# Altium PCB RK_NVR_DEMO1_RK3588_LP4XD200P232SD8_V21_20211228_final_lint.PcbDoc (part 10 of 29)
Units mm, origin at the board's own origin, x right, y up, seen from the top; angles counter-clockwise.
Board outline 170.08 x 169.98 mm, 8 copper layers (TOP, L2-GND1, L3-POWER1, L4-S1, L5-GND2, L6-S2, L7-GND3, BOTTOM), stack 2.118 mm thick; 1650 components, 1119 nets, 6165 pads, 15417 vias.
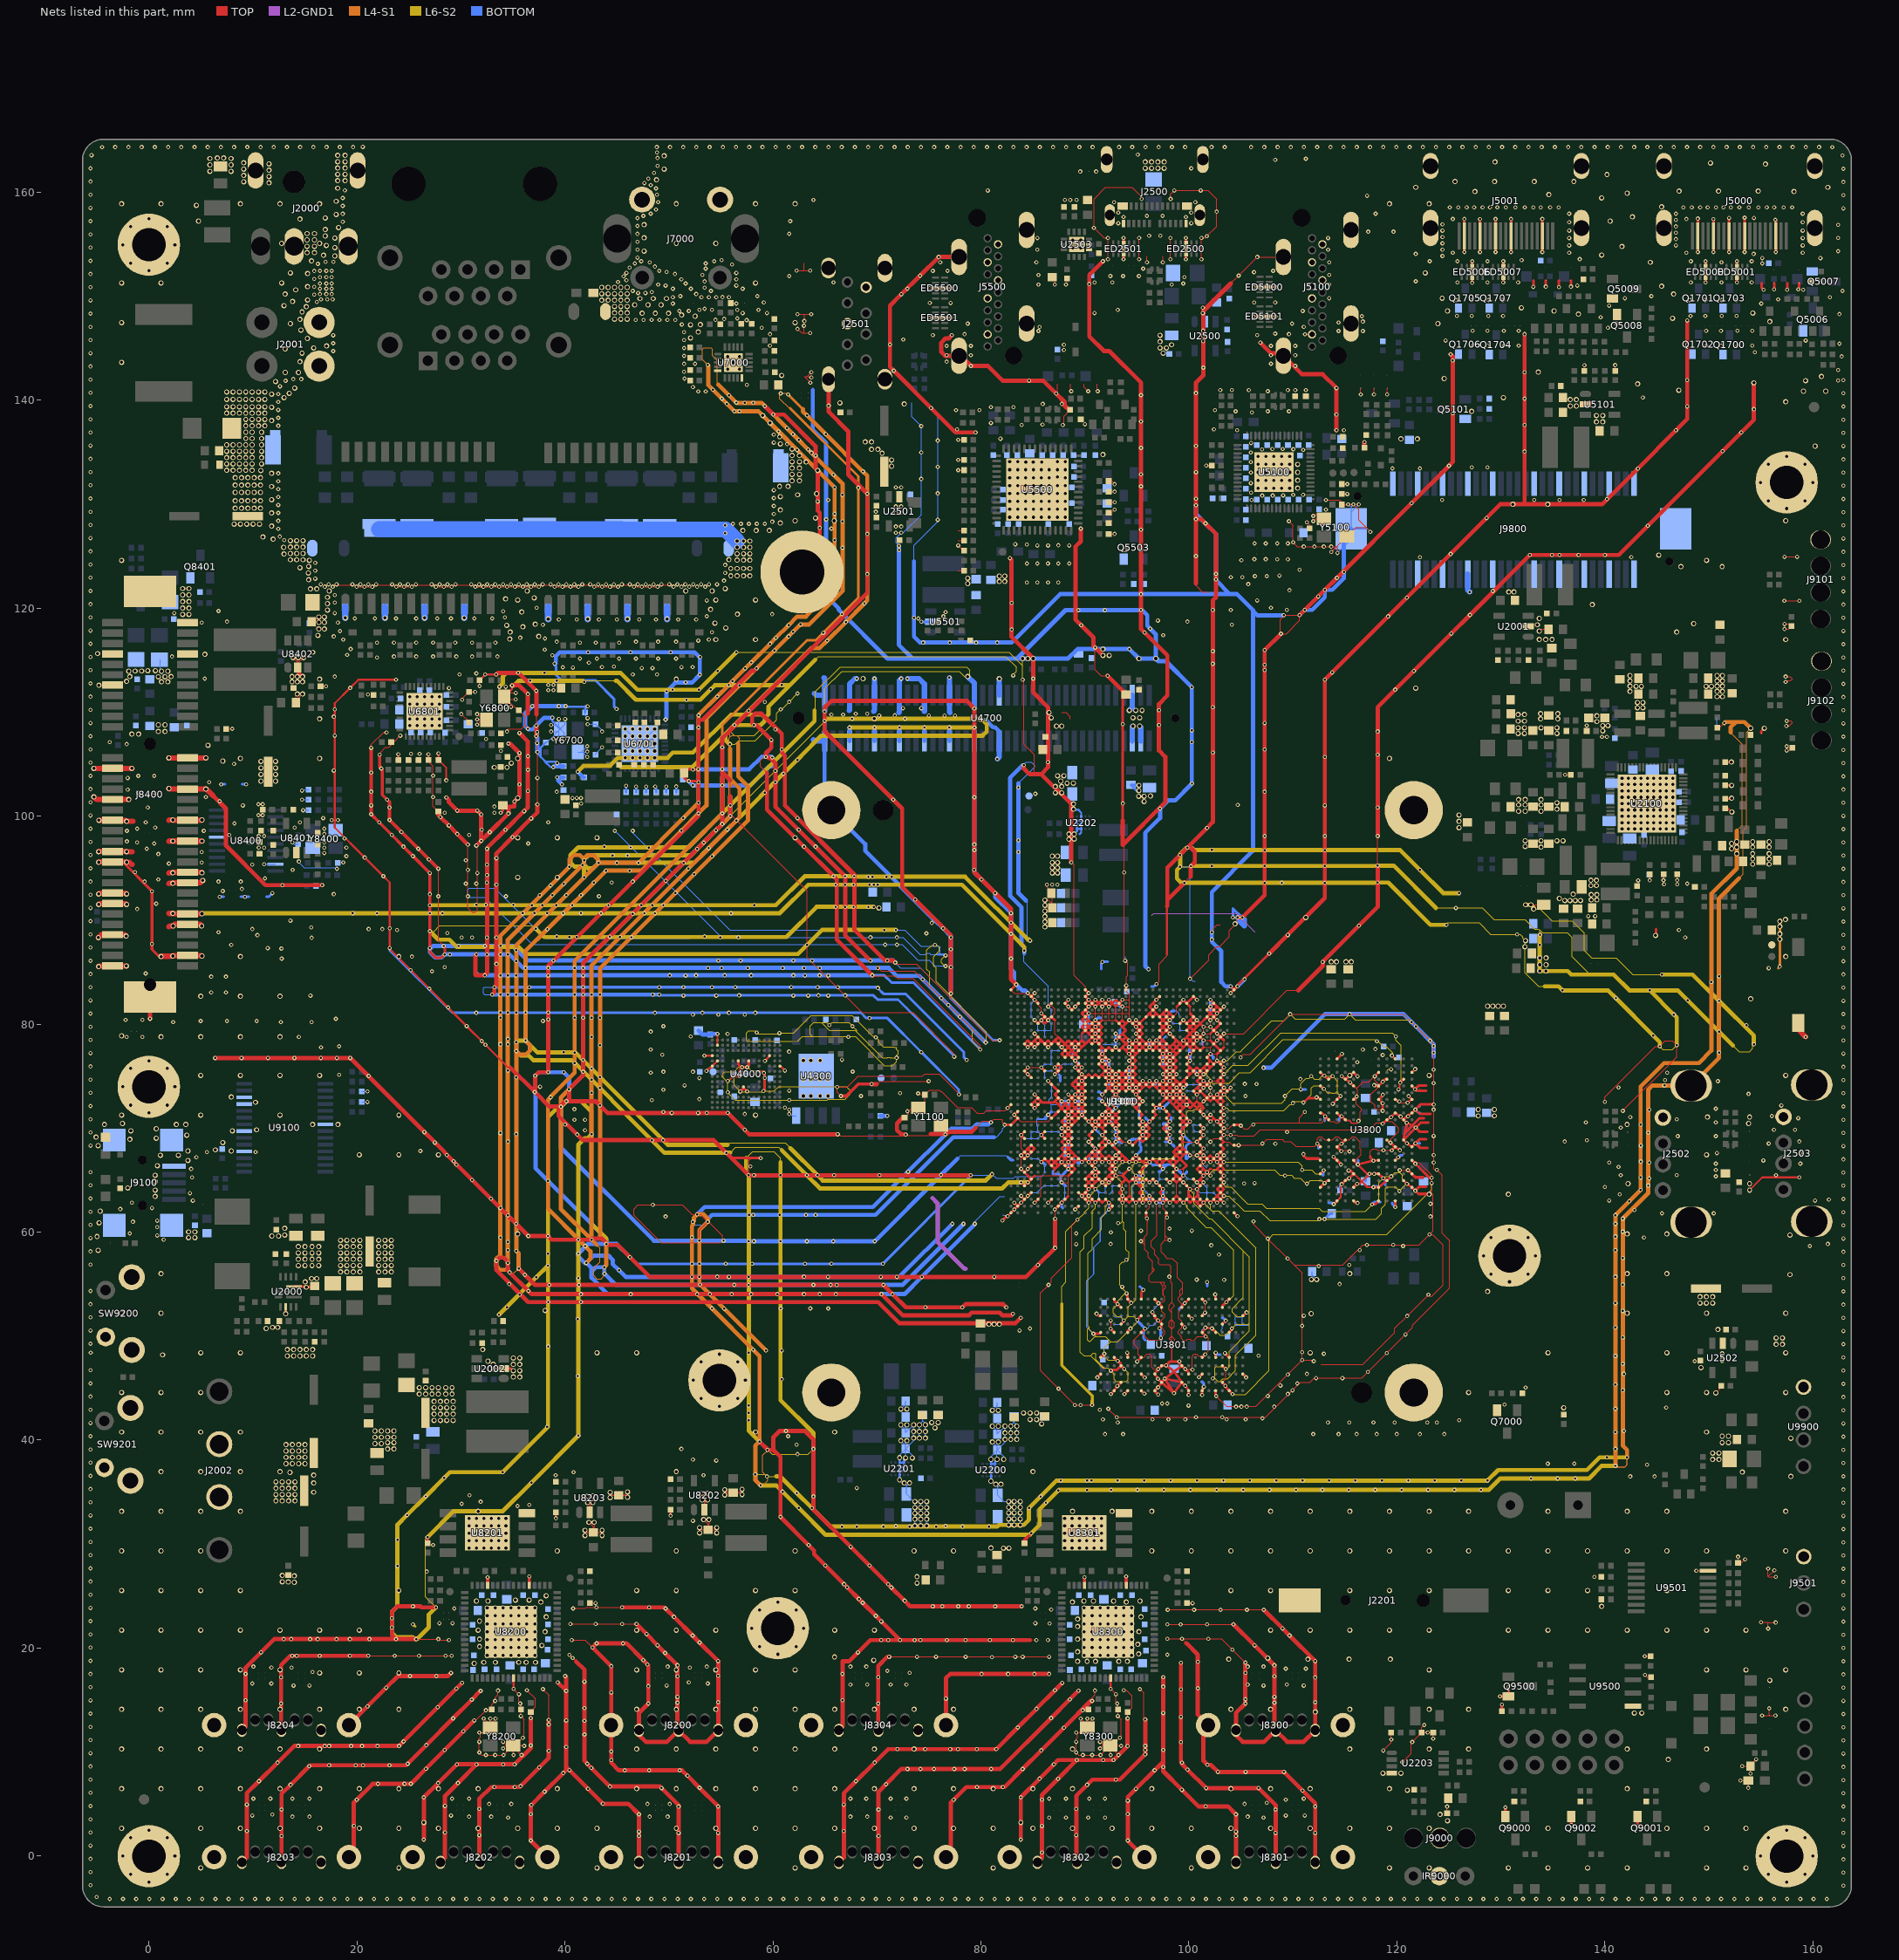
[diagram p16: the nets of this part, all layers, seen from the top]

## Via types
v1: diameter 0.4, hole 0.2, TOP to BOTTOM, 1688 vias
v2: diameter 0.4/0.4 (per signal layer), hole 0.2, TOP to L2-GND1, 1605 vias
v3: diameter 0/0/0/0/0/0/0/0.4 (per signal layer), hole 0.2, TOP to BOTTOM, 1253 vias
v4: diameter 0.4/0/0/0/0/0/0/0 (per signal layer), hole 0.2, TOP to BOTTOM, 1253 vias
v5: diameter 0.5, hole 0.3, TOP to BOTTOM, 857 vias
v6: diameter 0.4/0.4/0.4/0.4/0.4 (per signal layer), hole 0.2, L4-S1 to BOTTOM, 836 vias
v7: diameter 0/0/0/0/0/0/0/0.5 (per signal layer), hole 0.3, TOP to BOTTOM, 772 vias
v8: diameter 0.5/0/0/0/0/0/0/0 (per signal layer), hole 0.3, TOP to BOTTOM, 772 vias
v9: diameter 0.5/0.5 (per signal layer), hole 0.3, TOP to L2-GND1, 766 vias
v10: diameter 0.4/0.4 (per signal layer), hole 0.2, L7-GND3 to BOTTOM, 611 vias
v11: diameter 0.4/0.4/0.4/0.4 (per signal layer), hole 0.2, L5-GND2 to BOTTOM, 579 vias
v12: diameter 0.4 (per signal layer), hole 0.2, L6-S2 to L6-S2, 535 vias
v13: diameter 0.5/0.5/0.5/0.5/0.5 (per signal layer), hole 0.3, L4-S1 to BOTTOM, 457 vias
v14: diameter 0.5/0.5/0.5/0.5 (per signal layer), hole 0.3, L5-GND2 to BOTTOM, 455 vias
v15: diameter 0.4 (per signal layer), hole 0.2, L5-GND2 to L5-GND2, 418 vias
v16: diameter 0.5/0.5/0.5 (per signal layer), hole 0.3, TOP to L3-POWER1, 306 vias
v17: diameter 0.4 (per signal layer), hole 0.2, L4-S1 to L4-S1, 300 vias
v18: diameter 0.4/0.4/0.4 (per signal layer), hole 0.2, TOP to L3-POWER1, 287 vias
v19: diameter 0.5 (per signal layer), hole 0.3, L3-POWER1 to L3-POWER1, 242 vias
v20: diameter 0.5 (per signal layer), hole 0.3, L4-S1 to L4-S1, 240 vias
v21: diameter 0.5/0.5 (per signal layer), hole 0.3, L7-GND3 to BOTTOM, 192 vias
v22: diameter 0.5 (per signal layer), hole 0.3, L6-S2 to L6-S2, 166 vias
v23: diameter 0.4/0.4/0.4/0.4/0.4 (per signal layer), hole 0.2, TOP to L5-GND2, 134 vias
v24: diameter 0.5 (per signal layer), hole 0.3, L5-GND2 to L5-GND2, 114 vias
v25: diameter 0.5/0.5 (per signal layer), hole 0.3, L3-POWER1 to L4-S1, 111 vias
v26: diameter 0.4 (per signal layer), hole 0.2, L3-POWER1 to L3-POWER1, 93 vias
v27: diameter 0.4/0.4 (per signal layer), hole 0.2, L4-S1 to L5-GND2, 59 vias
v28: diameter 0.4/0.4/0/0/0.4/0/0.4/0.4 (per signal layer), hole 0.2, TOP to BOTTOM, 56 vias
v29: diameter 0.4/0/0/0.4/0/0/0/0.4 (per signal layer), hole 0.2, TOP to BOTTOM, 51 vias
v30: diameter 0.5/0.5 (per signal layer), hole 0.3, L4-S1 to L5-GND2, 46 vias
v31: diameter 0.4/0/0/0/0/0.4/0/0.4 (per signal layer), hole 0.2, TOP to BOTTOM, 42 vias
v32: diameter 0.5/0.5/0.5/0.5/0.5 (per signal layer), hole 0.3, TOP to L5-GND2, 32 vias
v33: diameter 0.4/0.4 (per signal layer), hole 0.2, L3-POWER1 to L4-S1, 29 vias
v34: diameter 0.4/0/0.4/0/0/0/0/0.4 (per signal layer), hole 0.2, TOP to BOTTOM, 29 vias
v35: diameter 0.4/0.4/0/0/0.4/0.4/0.4/0.4 (per signal layer), hole 0.2, TOP to BOTTOM, 21 vias
v36: diameter 0.5/0.5/0.5/0/0.5/0.5/0.5/0.5 (per signal layer), hole 0.3, TOP to BOTTOM, 4 vias
v37: diameter 0.5/0.5/0/0.5/0.5/0.5/0.5/0.5 (per signal layer), hole 0.3, TOP to BOTTOM, 3 vias
v38: diameter 0.4/0/0.4/0.4/0/0/0/0.4 (per signal layer), hole 0.2, TOP to BOTTOM, 2 vias
v39: diameter 0.4/0.4/0.4/0/0.4/0/0.4/0.4 (per signal layer), hole 0.2, TOP to BOTTOM, 1 vias

## Nets (pads, with @x,y where several pads share a name; then routed paths per layer and width w, separated by ;. In a path a pad name is that pad's centre, name@x,y a point inside that pad or via, vN(x,y) a via of type N, cw(c..) or ccw(c..) an arc to the next point about the centre after c; other vN are vias at no path point) (continued)
GND: C1000.2 C1001.2 C1002.2 C1003.2 C1004.2 C1005.2 C1006.2 C1007.2 C1010.2 C1013.2 C1014.2 C1015.2 C1016.2 C1017.2 C1018.2 C1019.2 C1020.2 C1022.2 C1023.2 C1024.2 C1025.2 C1027.2 C1028.2 C1029.2 C1030.2 C1031.2 C1032.2 C1033.2 C1034.2 C1035.2 C1036.2 C1037.2 C1038.2 C1039.2 C1040.2 C1041.2 C1042.2 C1043.2 C1045.2 C1046.2 C1047.2 C1048.2 C1049.2 C1050.2 C1051.2 C1052.2 C1054.2 C1057.2 C1058.2 C1059.2 C1060.2 C1061.2 C1062.2 C1063.2 C1064.2 C1065.2 C1066.2 C1069.2 C1070.2 C1071.2 C1072.2 C1073.2 C1080.2 C1081.2 C1082.2 C1083.2 C1085.2 C1086.2 C1100.2 C1101.2 C1102.2 C1103.2 C1104.2 C1105.2 C1106.2 C1107.2 C1109.2 C1110.2 C1111.2 C1112.2 C1113.2 C1200.2 C1201.2 C1202.2 C1203.2 C1204.2 C1205.2 C1206.2 C1207.2 C1208.2 C1209.2 C1210.2 C1211.2 C1212.2 C1213.2 C1214.2 C1215.2 C1216.2 C1217.2 C1218.2 C1219.2 C1220.2 C1221.2 C1223.2 C1224.2 C1225.2 C1226.2 C1227.2 C1228.2 C1229.2 C1231.2 C1232.2 C1300.2 C1301.2 C1302.2 C1404.2 C1405.2 C1406.2 C1407.2 C1412.2 C1417.2 C1418.2 C1419.2 C1420.2 C1421.2 C1422.2 C1423.2 C1500.2 C1501.2 C1502.2 C1503.2 C1504.2 C1505.2 C1506.2 C1600.2 C1601.2 C1602.2 C1603.2 C1604.2 C1606.2 C1607.2 C1608.2 C1609.2 C1610.2 C1611.2 C1709.2 C1710.2 C1711.2 C1713.2 C1714.2 C1715.2 C1724.2 C1725.2 C1726.2 C1727.2 C1729.2 C1730.2 C1731.2 C1801.2 C1803.2 C1804.2 C1805.2 C1806.2 C1807.2 C1808.2 C1810.2 C1812.2 C1813.2 C1814.2 C1815.2 C1816.2 C1819.2 C1901.2 C1902.2 C1903.2 C1905.2 C2000.2 C2001.2 C2002.2 C2003.2 C2004.2 C2005.2 C2006.2 C2007.2 C2009.2 C2010.2 C2011.2 C2012.2 C2013.2 C2014.2 C2015.2 C2017.2 C2019.2 C2020.2 C2022.2 C2023.2 C2024.2 C2025.2 C2027.2 C2028.2 C2030.2 C2032.2 C2033.2 C2034.2 C2035.2 C2100.2 C2102.2 C2103.2 C2104.2 C2105.2 C2106.2 C2107.2 C2109.2 C2110.2 C2111.2 C2114.2 C2115.2 C2116.2 C2117.2 C2120.2 C2121.2 C2122.2 C2123.2 C2126.2 C2127.2 C2128.2 C2129.2 C2130.2 C2133.2 C2134.2 C2135.2 C2136.2 C2138.2 C2139.2 C2140.2 C2141.2 C2142.2 C2144.2 C2145.2 C2146.2 C2147.2 C2148.2 C2149.2 C2150.2 C2151.2 C2152.2 C2153.2 C2154.2 C2155.2 C2156.2 C2157.2 C2158.2 C2159.2 C2160.2 C2161.2 C2162.2 C2163.2 C2164.2 C2165.2 C2166.2 C2167.2 C2168.2 C2169.2 C2170.2 C2171.2 C2172.2 C2173.2 C2200.2 C2201.2 C2202.2 C2203.2 C2205.2 C2206.2 C2207.2 C2208.2 C2209.2 C2211.2 C2212.2 C2213.2 C2214.2 C2215.2 C2218.2 C2219.2 C2221.2 C2222.2 C2223.2 C2224.2 C2225.2 C2227.2 C2228.2 C2229.2 C2230.2 C2503.2 C2504.2 C2505.2 C2506.2 C2507.2 C2508.2 C2511.2 C2512.2 C2513.2 C2515.2 C2516.2 C2517.2 C2518.2 C2519.2 C2520.2 C2521.2 C2526.2 C2528.2 C3800.2 C3801.2 C3802.2 C3803.2 C3804.2 C3805.2 C3806.2 C3807.2 C3808.2 C3809.2 C3810.2 C3811.2 C3812.2 C3813.2 C3814.2 C3815.2 C3816.2 C3817.2 C3818.2 C3819.2 C3820.2 C3821.2 C3822.2 C3823.2 C3824.2 C3825.2 C3826.2 C3827.2 C3828.2 C3829.2 C3830.2 C3831.2 C3832.2 C3833.2 C3834.2 C3835.2 C3836.2 C3837.2 C3838.2 C3839.2 C3840.2 C3841.2 C3842.2 C3843.2 C3844.2 C3845.2 C3846.2 C3847.2 C3848.2 C3849.2 C3850.2 C3851.2 C3852.2 C3853.2 C3854.2 C3855.2 C3856.2 C3857.2 C3858.2 C3859.2 C3860.2 C3861.2 C3862.2 C3863.2 C3864.2 C3865.2 C3866.2 C3867.2 C3868.2 C3869.2 C3870.2 C3871.2 C3872.2 C3873.2 C3874.2 C3875.2 C3876.2 C3877.2 C3878.2 C3879.2 C3880.2 C3881.2 C3882.2 C3883.2 C3884.2 C3885.2 C3886.2 C3887.2 C3888.2 C4000.2 C4001.2 C4002.2 C4003.2 C4004.2 C4005.2 C4006.2 C4007.2 C4008.2 C4009.2 C4010.2 C4300.2 C4301.2 C4700.2 C4701.2 C4702.2 C4703.2 C4704.2 C4705.2 C4706.2 C4707.2 C5000.2 C5001.2 C5102.2 C5104.2 C5105.2 C5106.2 C5107.2 C5109.2 C5110.2 C5111.2 C5112.2 C5113.2 C5114.2 C5115.2 C5116.2 C5117.2 C5118.2 C5119.2 C5121.2 C5122.2 C5123.2 C5124.2 C5125.2 C5126.2 C5127.2 C5128.2 C5129.2 C5130.2 C5131.2 C5132.2 C5133.2 C5134.2 C5135.2 C5136.2 C5137.2 C5138.2 C5139.2 C5140.2 C5141.2 C5142.2 C5500.2 C5502.2 C5503.2 C5505.2 C5506.2 C5507.2 C5508.2 C5509.2 C5510.2 C5511.2 C5512.2 C5513.2 C5514.2 C5516.2 C5517.2 C5518.2 C5519.2 C5520.2 C5521.2 C5522.2 C5523.2 C5524.2 C5525.2 C5526.2 C5527.2 C5528.2 C5529.2 C5530.2 C5531.2 C5532.2 C5533.2 C6700.2 C6701.2 C6702.2 C6703.2 C6704.2 C6705.2 C6706.2 C6707.2 C6708.2 C6709.2 C6710.2 C6711.2 C6712.2 C6713.2 C6714.2 C6715.2 C6716.2 C6717.2 C6718.2 C6719.2 C6720.2 C6721.2 C6722.2 C6723.2 C6724.2 C6726.2 C6800.2 C6801.2 C6802.2 C6803.2 C6804.2 C6805.2 C6806.2 C6807.2 C6808.2 C6809.2 C6810.2 C6811.2 C6812.2 C6813.2 C6814.2 C6815.2 C6816.2 C6817.2 C6818.2 C6819.2 C6820.2 C6821.2 C6822.2 C6823.2 C6826.2 C7001.2 C7002.2 C7003.2 C7004.2 C7006.2 C7007.2 C7008.2 C7009.2 C7010.2 C7011.2 C7012.2 C8204.2 C8209.2 C8211.2 C8213.2 C8224.2 C8226.2 C8227.2 C8228.2 C8229.2 C8230.2 C8231.2 C8232.2 C8233.2 C8234.2 C8235.2 C8236.2 C8237.2 C8242.2 C8244.2 C8245.2 C8246.2 C8247.2 C8248.2 C8249.2 C8250.2 C8251.2 C8252.2 C8253.2 C8254.2 C8255.2 C8304.2 C8308.2 C8311.2 C8313.2 C8324.2 C8325.2 C8326.2 C8327.2 C8328.2 C8329.2 C8330.2 C8331.2 C8332.2 C8333.2 C8334.2 C8339.2 C8340.2 C8341.2 C8342.2 C8343.2 C8344.2 C8345.2 C8346.2 C8347.2 C8348.2 C8349.2 C8400.2 C8409.2 C8410.2 C8411.2 C8412.2 C8413.2 C8414.2 C8415.2 C8416.2 C8417.2 C8418.2 C8419.2 C8420.2 C8421.2 C8422.2 C8423.2 C8424.2 C8425.2 C8426.2 C8427.2 C8429.2 C8431.2 C8432.2 C8433.2 C8435.2 C8436.2 C8437.2 C9000.2 C9001.2 C9002.2 C9100.2 C9101.2 C9102.2 C9103.2 C9104.2 C9105.2 C9106.2 C9500.2 C9502.2 C9504.1 C9505.2 C9507.1 C9900.2 C9901.2 D1500.2 D2000.1 D2504.2 D2505.2 D2506.2 D2507.2 D2508.2 D2509.2 D2510.2 D2511.2 D2512.2 D2513.2 D2514.2 D2515.2 D2516.2 D2517.2 D2518.2 D2519.2 D6700.2 D6701.2 D6702.2 D6703.2 D6704.2 D6705.2 D6706.2 D6707.2 D6800.2 D6801.2 D6802.2 D6803.2 D6804.2 D6805.2 D6806.2 D6807.2 D7000.2 D7001.2 D9100.2 D9101.2 D9102.2 D9103.2 D9104.2 D9105.2 D9200.2 D9201.2 ED2100.2 ED2500.3 ED2500.8 ED2501.3 ED2501.8 ED5000.3 ED5000.8 ED5001.3 ED5001.8 ED5002.2 ED5003.2 ED5004.2 ED5005.2 ED5006.3 ED5006.8 ED5007.3 ED5007.8 ED5008.2 ED5009.2 ED5010.2 ED5011.2 ED5100.3 ED5100.8 ED5101.3 ED5101.8 ED5102.2 ED5103.2 ED5104.2 ED5500.3 ED5500.8 ED5501.3 ED5501.8 ED5502.2 ED5503.2 ED5504.2 ED5505.2 ED9500.2 ED9501.2 ED9502.2 ED9503.2 FB6700.1 FB9500.2 H9900.1 H9901.1 H9902.1 H9903.1 H9904.1 H9905.1 H9906.1 H9907.1 IR9000.2 J2000.2 J2000.3 J2000.4 J2000.5 J2001.1 J2001.2 J2002.2 J2002.3 J2201.2 J2500.A1 J2500.A12 J2500.B1 J2500.B12 J2500.H1 J2500.H2 J2500.H3 J2500.H4 J2501.4 J2501.7 J2501.10 J2501.11 J2501.12 J2501.13 J2502.4 J2502.5 J2502.6 J2503.4 J2503.5 J2503.6 J5000.2 J5000.5 J5000.8 J5000.11 J5000.17 J5000.20 J5000.21 J5000.22 J5000.23 J5001.2 J5001.5 J5001.8 J5001.11 J5001.17 J5001.20 J5001.21 J5001.22 J5001.23 J5100.2 J5100.5 J5100.8 J5100.11 J5100.17 J5100.20 J5100.21 J5100.22 J5100.23 J5500.2 J5500.5 J5500.8 J5500.11 J5500.17 J5500.20 J5500.21 J5500.22 J5500.23 J7000.1 J7000.4 J8200.1 J8200.4 J8200.7 J8200.8 J8200.9 J8201.1 J8201.4 J8201.7 J8201.8 J8201.9 J8202.1 J8202.4 J8202.7 J8202.8 J8202.9 J8203.1 J8203.4 J8203.7 J8203.8 J8203.9 J8204.1 J8204.4 J8204.7 J8204.8 J8204.9 J8300.1 J8300.4 J8300.7 J8300.8 J8300.9 J8301.1 J8301.4 J8301.7 J8301.8 J8301.9 J8302.1 J8302.4 J8302.7 J8302.8 J8302.9 J8303.1 J8303.4 J8303.7 J8303.8 J8303.9 J8304.1 J8304.4 J8304.7 J8304.8 J8304.9 J8400.1 J8400.2 J8400.A1 J8400.A4 J8400.A12 J8400.A15 J8400.A18 J8400.A20 J8400.A23 J8400.A24 J8400.A27 J8400.A28 J8400.A31 J8400.B4 J8400.B7 J8400.B13 J8400.B16 J8400.B18 J8400.B21 J8400.B22 J8400.B25 J8400.B26 J8400.B29 J8400.B32 J9000.2 J9100.5 J9100.6 J9100.7 J9100.8 J9100.9 J9101.1 J9102.1 J9501.1 J9800.1 J9800.2 J9800.7 J9800.8 J9800.13 J9800.14 J9800.19 J9800.20 J9800.25 J9800.26 J9800.35 J9800.36 J9800.41 J9800.42 J9800.47 J9800.48 J9800.53 J9800.54 J9800.59 J9800.61 J9800.62 J9901.1 J9901.2 J9901.3 J9901.4 LED2000.2 Q1700.2 Q1701.2 Q1702.2 Q1703.2 Q1704.2 Q1705.2 Q1706.2 Q1707.2 Q5006.2 Q5007.2 Q5008.2 Q5009.2 Q5101.2 Q5503.2 Q7000.2 Q8401.2 Q9000.2 Q9001.2 Q9002.2 Q9500.2 R1110.2 R1114.2 R1400.2 R1401.2 R1402.2 R1403.2 R1404.2 R1405.2 R1510.2 R1708.2 R1717.2 R1800.2 R1801.2 R2002.2 R2008.2 R2013.2 R2018.2 R2020.2 R2023.2 R2101.2 R2126.2 R2134.2 R2140.2 R2150.2 R2205.2 R2501.2 R2505.2 R2510.2 R2511.2 R2515.2 R2516.2 R2517.2 R2529.2 R2532.2 R2535.2 R2536.2 R4004.2 R5027.2 R5028.2 R5100.2 R5113.2 R5114.2 R5116.2 R5117.2 R5118.2 R5119.2 R5130.2 R5133.2 R5139.2 R5506.2 R5507.2 R5508.2 R5510.2 R5511.2 R5513.2 R5531.2 R5533.2 R5534.2 R5535.2 R5536.2 R5537.2 R5539.2 R5541.2 R5551.2 R5554.2 R6702.2 R6715.2 R6716.2 R6718.2 R6720.2 R6721.2 R6722.2 R6724.2 R6725.2 R6726.2 R6728.2 R6731.2 R6802.2 R6815.2 R6816.2 R6818.2 R6820.2 R6821.2 R6823.2 R6825.2 R6826.2 R6828.2 R6831.2 R7001.2 R7003.2 R7004.2 R7006.2 R8202.1 R8206.2 R8214.2 R8217.2 R8302.1 R8306.2 R8406.2 R8407.2 R8409.2 R8411.2 R8413.2 R8418.2 R8419.2 R8421.2 R8425.2 R8426.2 R8431.2 R8433.2 R8435.2 R9009.2 R9010.2 R9011.2 R9103.2 R9301.2 R9508.2 R9510.2 SMTSO9900.1 SW1500.2 SW9200.2 SW9200.3 SW9200.4 SW9201.2 SW9201.3 SW9201.4 TP1301.1 TP1303.1 TP1501.1 TP1503.1 U1000.A1 U1000.A11 U1000.A14 U1000.A34 U1000.AA3 U1000.AA6 U1000.AA8 U1000.AA10 U1000.AA11 U1000.AA16 U1000.AA17 U1000.AA18 U1000.AA19 U1000.AA20 U1000.AA21 U1000.AA22 U1000.AA23 U1000.AA24 U1000.AA31 U1000.AB3 U1000.AB5 U1000.AB6 U1000.AB7 U1000.AB8 U1000.AB10 U1000.AB11 U1000.AB16 U1000.AB17 U1000.AB18 U1000.AB19 U1000.AB20 U1000.AB24 U1000.AB27 U1000.AB29 U1000.AB32 U1000.AC3 U1000.AC4 U1000.AC5 U1000.AC8 U1000.AC10 U1000.AC11 U1000.AC12 U1000.AC16 U1000.AC20 U1000.AC21 U1000.AC24 U1000.AC27 U1000.AD5 U1000.AD8 U1000.AD10 U1000.AD11 U1000.AD12 U1000.AD16 U1000.AD20 U1000.AD21 U1000.AD24 U1000.AD25 U1000.AD26 U1000.AE3 U1000.AE6 U1000.AE7 U1000.AE9 U1000.AE11 U1000.AE12 U1000.AE13 U1000.AE14 U1000.AE15 U1000.AE16 U1000.AE18 U1000.AE19 U1000.AE20 U1000.AE21 U1000.AE24 U1000.AE26 U1000.AF4 U1000.AF7 U1000.AF8 U1000.AF11 U1000.AF12 U1000.AF13 U1000.AF14 U1000.AF15 U1000.AF16 U1000.AF21 U1000.AF22 U1000.AF24 U1000.AF25 U1000.AF27 U1000.AF28 U1000.AF29 U1000.AF30 U1000.AF31 U1000.AF32 U1000.AG3 U1000.AG6 U1000.AG7 U1000.AG10 U1000.AG12 U1000.AG15 U1000.AG18 U1000.AG21 U1000.AG22 U1000.AG30 U1000.AH4 U1000.AH8 U1000.AH11 U1000.AH12 U1000.AH15 U1000.AH21 U1000.AH22 U1000.AH23 U1000.AJ3 U1000.AJ7 U1000.AJ8 U1000.AJ9 U1000.AJ11 U1000.AJ12 U1000.AJ15 U1000.AJ16 U1000.AJ18 U1000.AJ21 U1000.AJ22 U1000.AJ23 U1000.AJ30 U1000.AK4 U1000.AK5 U1000.AK7 U1000.AK10 U1000.AK11 U1000.AK12 U1000.AK13 U1000.AK14 U1000.AK23 U1000.AK28 U1000.AK29 U1000.AL3 U1000.AL4 U1000.AL5 U1000.AL11 U1000.AL13 U1000.AL23 U1000.AL25 U1000.AM4 U1000.AM8 U1000.AM9 U1000.AM18 U1000.AM20 U1000.AM22 U1000.AM23 U1000.AM24 U1000.AM26 U1000.AM28 U1000.AM30 U1000.AN7 U1000.AN12 U1000.AN23 U1000.AN31 U1000.AP1 U1000.AP17 U1000.AP23 U1000.AP34 U1000.B6 U1000.B19 U1000.B24 U1000.B27 U1000.B33 U1000.C3 U1000.C4 U1000.C5 U1000.C6 U1000.C7 U1000.C8 U1000.C9 U1000.C10 U1000.C11 U1000.C12 U1000.C13 U1000.C14 U1000.C15 U1000.C16 U1000.C17 U1000.C18 U1000.C20 U1000.C21 U1000.C22 U1000.C23 U1000.C26 U1000.C28 U1000.C30 U1000.C32 U1000.D3 U1000.D23 U1000.D24 U1000.D31 U1000.E3 U1000.E6 U1000.E8 U1000.E12 U1000.E18 U1000.E20 U1000.E22 U1000.E23 U1000.E32 U1000.F3 U1000.F7 U1000.F9 U1000.F10 U1000.F11 U1000.F13 U1000.F14 U1000.F15 U1000.F16 U1000.F19 U1000.F20 U1000.F21 U1000.F22 U1000.F23 U1000.F31 U1000.G3 U1000.G6 U1000.G10 U1000.G15 U1000.G19 U1000.G21 U1000.G22 U1000.G25 U1000.G32 U1000.H3 U1000.H6 U1000.H10 U1000.H12 U1000.H14 U1000.H19 U1000.H22 U1000.H25 U1000.H26 U1000.H28 U1000.H31 U1000.J3 U1000.J4 U1000.J5 U1000.J6 U1000.J10 U1000.J11 U1000.J12 U1000.J13 U1000.J14 U1000.J15 U1000.J16 U1000.J18 U1000.J19 U1000.J20 U1000.J21 U1000.J22 U1000.J23 U1000.J24 U1000.J25 U1000.J27 U1000.J28 U1000.J29 U1000.J32 U1000.K3 U1000.K6 U1000.K8 U1000.K9 U1000.K18 U1000.K21 U1000.K22 U1000.K26 U1000.K31 U1000.K32 U1000.L1 U1000.L3 U1000.L6 U1000.L9 U1000.L16 U1000.L19 U1000.L20 U1000.L21 U1000.L22 U1000.L25 U1000.L26 U1000.L31 U1000.M3 U1000.M6 U1000.M9 U1000.M11 U1000.M14 U1000.M15 U1000.M18 U1000.M20 U1000.M22 U1000.M25 U1000.M26 U1000.M29 U1000.M32 U1000.N3 U1000.N6 U1000.N9 U1000.N11 U1000.N14 U1000.N15 U1000.N18 U1000.N20 U1000.N22 U1000.N25 U1000.N26 U1000.N29 U1000.N32 U1000.P1 U1000.P3 U1000.P6 U1000.P8 U1000.P9 U1000.P11 U1000.P14 U1000.P15 U1000.P18 U1000.P19 U1000.P20 U1000.P21 U1000.P22 U1000.P25 U1000.P26 U1000.P34 U1000.R3 U1000.R5 U1000.R8 U1000.R9 U1000.R11 U1000.R13 U1000.R15 U1000.R18 U1000.R19 U1000.R20 U1000.R21 U1000.R22 U1000.R23 U1000.R24 U1000.R25 U1000.R26 U1000.R28 U1000.R33 U1000.T3 U1000.T6 U1000.T9 U1000.T11 U1000.T13 U1000.T15 U1000.T18 U1000.T19 U1000.T20 U1000.T23 U1000.T24 U1000.T25 U1000.T26 U1000.T27 U1000.T33 U1000.U3 U1000.U12 U1000.U13 U1000.U15 U1000.U16 U1000.U17 U1000.U19 U1000.U20 U1000.U23 U1000.U24 U1000.U30 U1000.U31 U1000.U34 U1000.V3 U1000.V4 U1000.V5 U1000.V8 U1000.V9 U1000.V10 U1000.V11 U1000.V15 U1000.V18 U1000.V19 U1000.V23 U1000.V24 U1000.V25 U1000.V27 U1000.V30 U1000.W2 U1000.W3 U1000.W6 U1000.W7 U1000.W9 U1000.W10 U1000.W11 U1000.W12 U1000.W15 U1000.W16 U1000.W17 U1000.W18 U1000.W19 U1000.W20 U1000.W23 U1000.W24 U1000.W27 U1000.Y3 U1000.Y5 U1000.Y6 U1000.Y8 U1000.Y9 U1000.Y10 U1000.Y11 U1000.Y12 U1000.Y13 U1000.Y14 U1000.Y15 U1000.Y16 U1000.Y17 U1000.Y18 U1000.Y19 U1000.Y20 U1000.Y23 U1000.Y24 U1000.Y28 U2000.2 U2000.10 U2001.2 U2002.2 U2100.69 U2200.B2 U2200.B3 U2200.B4 U2200.C1 U2200.C2 U2200.C3 U2200.C4 U2201.B2 U2201.B3 U2201.B4 U2201.C1 U2201.C2 U2201.C3 U2201.C4 U2202.B2 U2202.B3 U2202.B4 U2202.C1 U2202.C2 U2202.C3 U2202.C4 U2203.4 U2500.2 U2501.2 U2502.2 U2503.8 U2503.9 U2503.15 U3800.A3 U3800.A10 U3800.AB3 U3800.AB5 U3800.AB8 U3800.AB10 U3800.C1 U3800.C5 U3800.C8 U3800.C12 U3800.D2 U3800.D4 U3800.D9 U3800.D11 U3800.E1 U3800.E5 U3800.E8 U3800.E12 U3800.G1 U3800.G3 U3800.G5 U3800.G8 U3800.G10 U3800.G12 U3800.J1 U3800.J3 U3800.J10 U3800.J12 U3800.K2 U3800.K4 U3800.K9 U3800.K11 U3800.N2 U3800.N4 U3800.N9 U3800.N11 U3800.P1 U3800.P3 U3800.P10 U3800.P12 U3800.T1 U3800.T3 U3800.T5 U3800.T8 U3800.T10 U3800.T12 U3800.V1 U3800.V5 U3800.V8 U3800.V12 U3800.W2 U3800.W4 U3800.W9 U3800.W11 U3800.Y1 U3800.Y5 U3800.Y8 U3800.Y12 U3801.A3 U3801.A10 U3801.AB3 U3801.AB5 U3801.AB8 U3801.AB10 U3801.C1 U3801.C5 U3801.C8 U3801.C12 U3801.D2 U3801.D4 U3801.D9 U3801.D11 U3801.E1 U3801.E5 U3801.E8 U3801.E12 U3801.G1 U3801.G3 U3801.G5 U3801.G8 U3801.G10 U3801.G12 U3801.J1 U3801.J3 U3801.J10 U3801.J12 U3801.K2 U3801.K4 U3801.K9 U3801.K11 U3801.N2 U3801.N4 U3801.N9 U3801.N11 U3801.P1 U3801.P3 U3801.P10 U3801.P12 U3801.T1 U3801.T3 U3801.T5 U3801.T8 U3801.T10 U3801.T12 U3801.V1 U3801.V5 U3801.V8 U3801.V12 U3801.W2 U3801.W4 U3801.W9 U3801.W11 U3801.Y1 U3801.Y5 U3801.Y8 U3801.Y12 U4000.A6 U4000.C4 U4000.E7 U4000.G5 U4000.H10 U4000.J5 U4000.K8 U4000.N2 U4000.N5 U4000.P4 U4000.P6 U4300.4 U4300.9 U4700.1 U4700.2 U4700.7 U4700.8 U4700.13 U4700.14 U4700.19 U4700.20 U4700.25 U4700.26 U4700.31 U4700.32 U4700.37 U4700.38 U4700.43 U4700.44 U4700.75 U4700.76 U4700.78 U5100.57 U5101.2 U5500.57 U5501.2 U6701.41 U6801.41 U7000.5 U7000.10 U7000.21 U8200.5 U8200.13 U8200.41 U8200.65 U8201.4 U8201.9 U8202.2 U8203.2 U8300.5 U8300.13 U8300.41 U8300.65 U8301.4 U8301.9 U8400.9 U8400.16 U8401.2 U8402.2 U9100.7 U9100.18 U9100.21 U9100.25 U9100.26 U9500.5 U9501.15 U9900.1 Y1100.2 Y1100.4 Y5100.2 Y5100.4 Y6700.2 Y6700.4 Y6800.2 Y6800.4 Y8200.2 Y8200.4 Y8300.2 Y8300.4 Y8400.2 Y8400.4 | length 8287.2
  TOP w0.089: 82.09,70.764 82.09,70.543 82.287,70.346 v2(82.287,70.32) ; 82.09,71.692 82.327,71.692 v2(82.566,71.931) ; U1000.AP34@82.891,83.306 83.216,82.981 v2(84.516,82.981) ; U1000.R33@83.541,70.956 83.846,70.65 86.485,70.65 U1000.R28@86.791,70.956 ; v2(83.866,66.081) v2(83.866,67.38) ; v2(83.866,69.331) 83.866,68.03 U1000.K32@84.191,67.705 ; v2(84.515,75.831) v2(85.816,75.831) ; U1000.C30@85.491,63.156 85.787,63.452 85.787,65.375 85.742,65.42 ; U1000.AM30@85.491,82.006 85.491,81.875 85.816,81.549 v2(85.816,81.031) ; U1000.AK28@86.791,80.706 87.113,81.029 87.113,81.471 86.791,81.793 U1000.AM28@86.791,82.006 ; 87.774,65.42 87.766,65.412 v2(87.766,64.78) 88.382,64.78 88.405,64.758 ; 89.139,61.043 v2(89.294,61.198) ; 89.558,84.081 90.041,83.597 U1000.AP23@90.041,83.306 ; v2(90.366,81.031) 94.249,81.031 94.266,81.014 ; 91.666,80.381 92.369,80.381 ; v2(92.316,81.681) 92.316,80.434 92.369,80.381 ; 92.965,80.381 92.369,80.381 ; 93.589,80.354 93.616,80.381 v2(93.616,81.681) ; 93.768,86.906 93.768,86.195 v2(93.87,86.094) 94.098,85.865 94.098,84.697 93.971,84.57 v2(93.971,83.706) ; U1000.AP17@93.941,83.306 93.941,83.178 94.276,82.842 94.276,82.411 94.175,82.309 ; v18(95.394,59.119) v18@95.521,58.992 ; v2(95.949,61.329) 95.949,61.278 96.029,61.198 96.029,61.043 ; v2(96.865,62.831) 96.865,61.711 96.918,61.659 96.918,61.043 ; v2(97.515,62.831) 97.515,62.273 97.841,61.948 U1000.A11@97.841,61.856 ; 97.727,61.043 97.727,61.249 v2(97.879,61.401) ; U1000.AK10@98.491,80.706 98.823,81.038 98.823,81.688 ; 98.815,63.564 98.815,64.781 ; 99.467,68.679 99.469,68.681 v2(100.766,68.681) ; v2(100.115,64.131) v2(100.766,64.131) ; v2(100.115,67.381) v2(100.766,67.381) ; 100.765,72.581 v2(100.765,73.231) ; v2(102.066,73.231) v2(102.066,73.88) ; v2(102.066,68.681) 102.391,69.006 U1000.M3@103.041,69.006 ; U1000.AF4@102.391,78.106 102.066,77.781 v2(102.066,77.131) 102.716,77.131 ; v2(103.366,79.08) 104.999,79.08 ; v2(104.016,69.331) 104.599,69.331 104.676,69.253 105.153,69.253 ; v2(104.788,68.356) 105.153,68.356 ; v2(104.966,76.794) 104.966,76.819 105.153,77.007 ; v2(104.991,70.24) 105.153,70.078